# Altium PCB PCB1.PcbDoc
Units mil, origin at the board's own origin, x right, y up, seen from the top; angles counter-clockwise.
Board outline 4900.65 x 3145 mil, 2 copper layers (Top Layer, Bottom Layer); 48 components, 47 nets, 257 pads, 103 vias.
Unrouted connection lines stored in the file: 67.
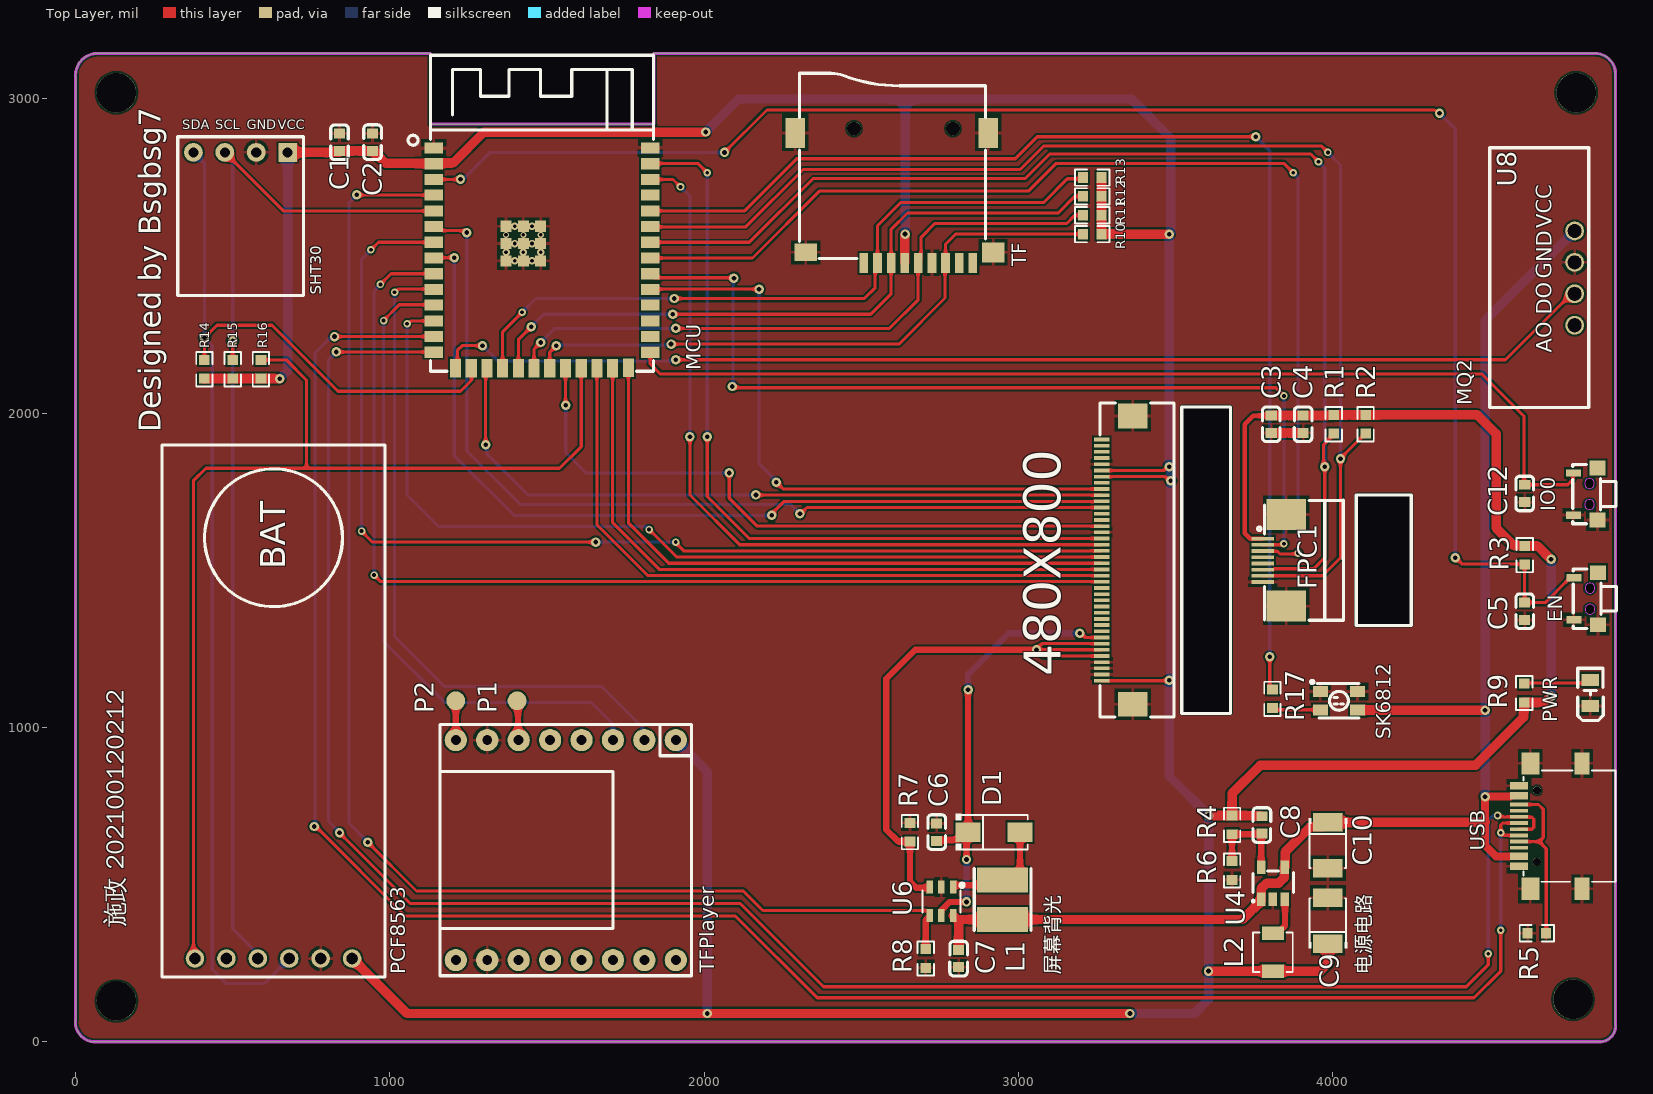
[diagram p0: Top Layer view]
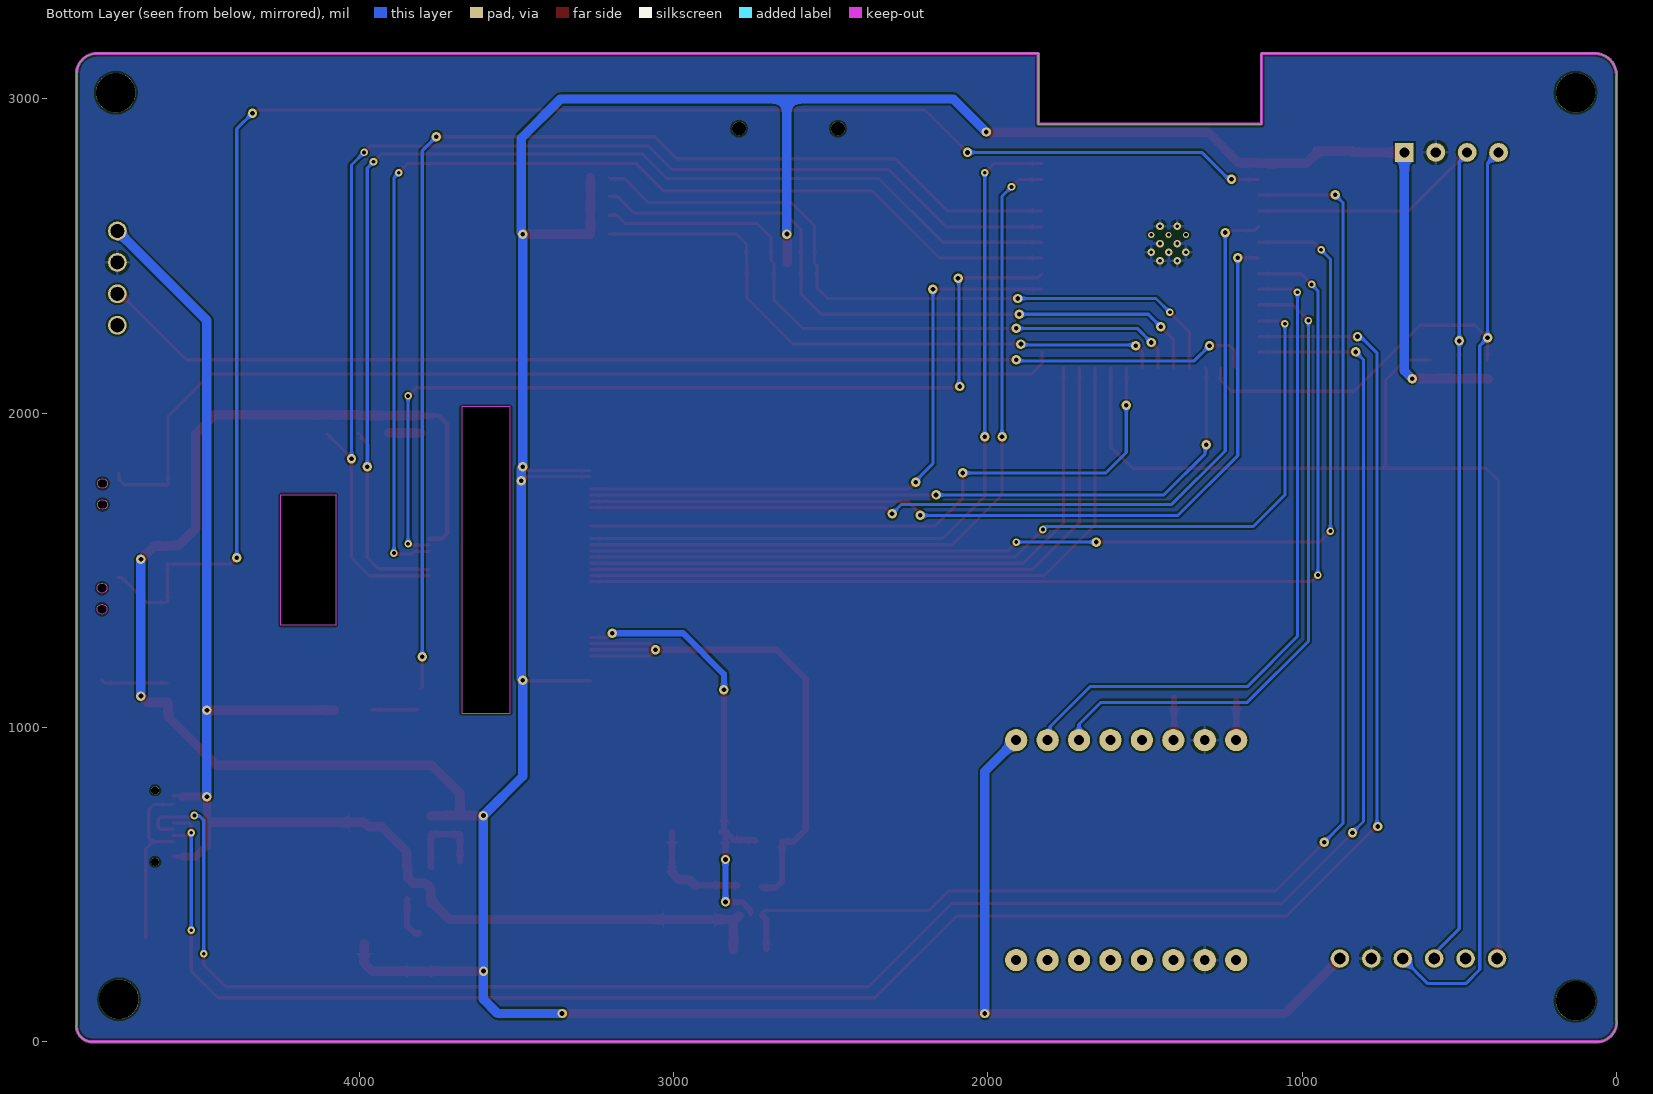
[diagram p1: Bottom Layer view, seen from below]
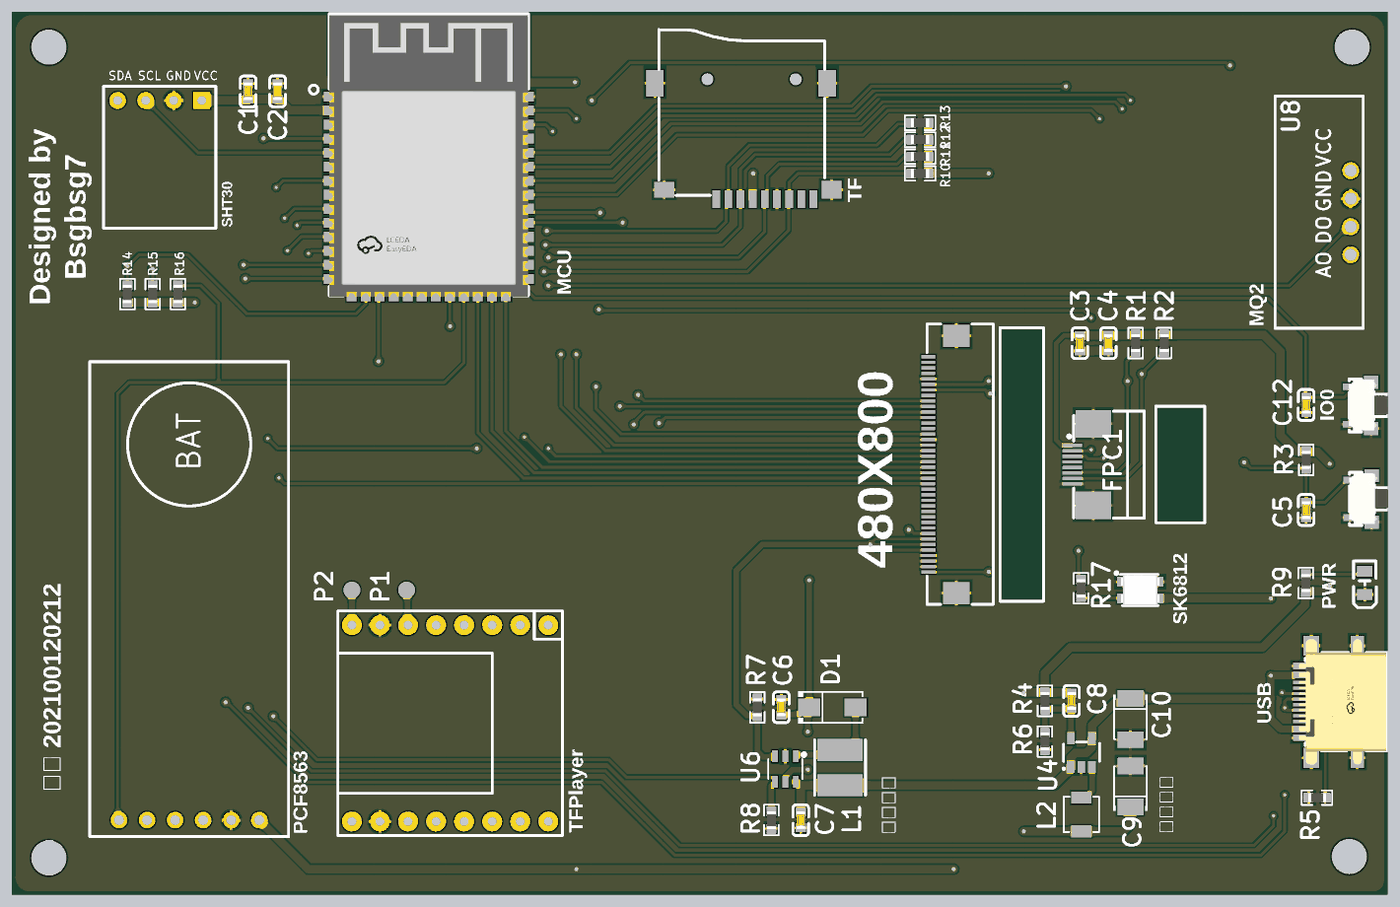
[diagram p2: 3D render of the assembled board from above, using the file's embedded part models]

## Layer stack, top to bottom
Top Solder: solder mask 0.4, Solder Resist, Dk 3.5
Top Layer: signal copper 1.4
Dielectric 1: dielectric 12.6, FR-4, Dk 4.8
Bottom Layer: signal copper 1.4
Bottom Solder: solder mask 0.4, Solder Resist, Dk 3.5

## Board outline
0,70 0,3070 cw(c70,3075) 65,3145 1130,3145 1130,2920 1840,2920 1840,3145 4835,3145 cw(c4835,3080) 4900,3080 4900,55 cw(c4850,50) 4855,0 55,0 cw(c62.5,62.5)
cut-out: 3520,1045 3520,2020 3675,2020 3675,1045
cut-out: 4075,1325 4250,1325 4250,1740 4075,1740

## Design rules (kind name [scope] priority, off if disabled: settings)
Clearance Clearance_1 [All] p1: gap=10 ignorepadtopadclearanceinfootprint=FALSE except(0: Arc-Hole Track-Hole SMDPad-Hole THPad-Hole Via-Hole Fill-Hole Poly-Hole Region-Hole Text-Hole)
Clearance [All] p2: gap=6 ignorepadtopadclearanceinfootprint=TRUE except(0: Arc-Hole Track-Hole SMDPad-Hole THPad-Hole Via-Hole Fill-Hole Poly-Hole Region-Hole Text-Hole)
PolygonConnect [All] p1: connectstyle=Relief reliefconductorwidth=10 reliefentries=4 polygonreliefangle="90 Angle" airgapwidth=10
RoutingVias [All] p1: holewidth=12 width=24 viastyle="Through Hole" minholewidth=10 minwidth=20 maxholewidth=28 maxwidth=50
SolderMaskExpansion [All] p1: expansion=4 istentingtop=FALSE
Width Width_4 [InNet('VBUS')] p1: maxlimit=30 minlimit=10 preferedwidth=30 minimp=50.000000 maximp=50.000000 favimp=50.000000
Width Width_3 [InNet('3V3')] p2: maxlimit=30 minlimit=10 preferedwidth=30 minimp=50.000000 maximp=50.000000 favimp=50.000000
Width Width_2 [InNet('GND')] p3: maxlimit=30 minlimit=10 preferedwidth=30 minimp=50.000000 maximp=50.000000 favimp=50.000000
Width Width_1 [All] p4: maxlimit=30 minlimit=10 preferedwidth=10 minimp=50.000000 maximp=50.000000 favimp=50.000000
Width [InNet('VBUS')] p5: maxlimit=30 minlimit=10 preferedwidth=30 minimp=50.000000 maximp=50.000000 favimp=50.000000
30 further rules are at their usual default settings.

## Classes and differential pairs
component class Sheet1: LED1 LED2 SW1 SW2 U1 U3 U7

## Components (designator, comment, footprint, x,y, rotation, side; value= is the part's Value field where it differs from the comment)
480X800 "FPC0.5-40P" FPC-SMD_P0.50-40P_XJ-FGS 3314.68,1532.67 r270 top locked
C1 "22u" C0603 840,2862.44 r90 top
C2 "0.1u" C0603 945,2862.44 r270 top
C3 "4.7u" C0603 3804.51,1964.7 r270 top
C4 "0.1u" C0603 3906.2,1965.3 r90 top
C5 "1u" C0603 4611.02,1369.89 r270 top
C6 "1uF" C0603 2740,667.01 r270 top
C7 "1uF" C0603 2810,265 r90 top
C8 "22pF" C0603 3775,690 r90 top
C9 "22uF" CASE-B_3528 3985,385 r90 top
C10 "22uF" CASE-B_3528 3985,625 r270 top
C12 "0.1u" C0603 4611.23,1744.89 r90 top
D1 "SS34_C2900685" SMA_L4.3-W2.5-LS5.0-RD 2922.68,667.01 r0 top
EN "TS-1010-B-A" KEY-SMD_TX-1010-X-X 4806.13,1409.89 r270 top (schematic designator SW1)
FPC1 "KH-FG0.5-H2.0-8PIN" FPC-SMD_KH-FG0.5-H2.0-8PIN 3815,1531.99 r270 top
IO0 "TS-1010-B-A" KEY-SMD_TX-1010-X-X 4804.51,1742.96 r270 top (schematic designator SW2)
L1 "22uH" IND-SMD_L4.5-W4.0_SM4532 2950,452.01 r90 top
L2 "1uH" IND-SMD_L3.2-W3.2-1 3810,285 r90 top
MCU "ESP32-S3-WROOM-1(N16R8)" WIRELM-SMD_ESP32-S3-WROOM-1 1483.95,2493.75 r0 top locked (schematic designator U1)
P1 "SPK1" pad 1405,1085 r0 top
P2 "SPK1" pad 1210,1085 r0 top
PCF8563 "RTC-PCF8563模块" PCF8563模块 275.67,1898.86 r270 top (schematic designator U7)
PWR "SML-H12P8TT86" LED0805-R-RD_GREEN 4820,1110 r90 top (schematic designator LED1)
R1 "4.7K" R0603 4003.52,1965 r270 top
R2 "4.7K" R0603 4105,1965 r270 top
R3 "10k" R0603 4611.13,1548.67 r270 top
R4 "100kΩ" R0603 3680,690 r90 top
R5 "5.1K" R0603 4650,345 r180 top
R6 "22kΩ" R0603 3680,545 r90 top
R7 "6.8" R0603 2655,667.01 r270 top
R8 "10k" R0603 2705,265 r90 top
R9 "10K" R0603 4610,1110 r270 top
R10 "10k" R0603 3235,2570 r0 top
R11 "10k" R0603 3235,2630 r0 top
R12 "10k" R0603 3235,2690 r0 top
R13 "10k" R0603 3235,2750 r0 top
R14 "4.7K" R0603 410,2140 r90 top
R15 "4.7K" R0603 500,2140 r90 top
R16 "4.7K" R0603 590,2140 r90 top
R17 "500" R0603 3808.41,1091.02 r270 top
SHT30 "SHT30" SHT30 725,2780 r270 top
SK6812 "SK6812SMINI-ER" SK6812 4020,1085 r180 top (schematic designator LED2)
TF "TF-15×15" TF-SMD_TF-15-15 2605,2685 r90 top locked
TFPlayer "DFPLAYER" DFPLAYER 2010,1060 r270 top
U4 "SY8089A1AAC" TSOT-23-5_L2.9-W1.6-P0.95-LS2.8-BR 3810,505 r270 top
U6 "RY3730" SOT-23-6_L2.9-W1.6-P0.95-LS2.8-BL 2755,447.01 r180 top
U8 "MQ2" MQ2 4770,2430 r270 top
USB "YTC-TC16-273A1" TYPE-C-SMD_YIYUAN_YTC-TC16-273A1 4693.4,686.22 r90 top locked (schematic designator U3)

## Footprints (in the part's own frame and the unit in brackets; to place one, negate y for a bottom-side part, rotate by r counter-clockwise, add the part's x,y. Pads: shape width x height; smd on the part's side, far side on the other; paste and mask are expansions set on the pad)
C0603 [mm]
  rect 0.8x0.9 smd: 1(-0.7,0) 2(0.7,0)
  silkscreen extent -1.41,-0.71 1.39,0.72, body extent -0.8,-0.4 0.8,0.4, height 0.8
CASE-B_3528 [mil]
  rect 59.3x93.54 smd mask+2: 1(-73.25,0) 2(73.25,0)
  silkscreen extent -87,-61 72,61
DFPLAYER [mm]
  round 1.8 hole 0.8: 1(2.54,-2.54) 2(2.54,-5.08) 3(2.54,-7.62) 4(2.54,-10.16) 5(2.54,-12.7) 6(2.54,-15.24) 7(2.54,-17.78) 8(2.54,-20.32) 9(20.32,-20.32) 10(20.32,-17.78) 11(20.32,-15.24) 12(20.32,-12.7) 13(20.32,-10.16) 14(20.32,-7.62) 15(20.32,-5.08) 16(20.32,-2.54)
  silkscreen extent 1.27,-21.59 21.59,-1.27
FPC-SMD_KH-FG0.5-H2.0-8PIN [mm]
  rect 0.3x1.8 smd mask+0.051: 1(-1.75,-0.95) 2(-1.25,-0.95) 3(-0.75,-0.95) 4(-0.25,-0.95) 5(0.25,-0.95) 6(0.75,-0.95) 7(1.25,-0.95) 8(1.75,-0.95)
  rect 2.5x3.2 smd mask+0.051: 9(3.7,0.95) 10(-3.7,0.95)
  silkscreen extent -4.85,-1.37 4.84,5.57
FPC-SMD_P0.50-40P_XJ-FGS [mm]
  rect 0.3x1.25 smd: 1(-9.749,-1.263) 2(-9.247,-1.263) 3(-8.747,-1.263) 4(-8.247,-1.263) 5(-7.747,-1.263) 6(-7.247,-1.263) 7(-6.747,-1.263) 8(-6.247,-1.263) 9(-5.747,-1.263) 10(-5.247,-1.263) 11(-4.747,-1.263) 12(-4.247,-1.263) 13(-3.747,-1.263) 14(-3.247,-1.263) 15(-2.747,-1.263) 16(-2.247,-1.263) 17(-1.747,-1.263) 18(-1.247,-1.263) 19(-0.747,-1.263) 20(-0.247,-1.263) 21(0.253,-1.263) 22(0.753,-1.263) 23(1.253,-1.263) 24(1.753,-1.263) 25(2.253,-1.263) 26(2.753,-1.263) 27(3.251,-1.262) 28(3.751,-1.262) 29(4.251,-1.262) 30(4.751,-1.262) 31(5.251,-1.262) 32(5.751,-1.262) 33(6.251,-1.262) 34(6.749,-1.26) 35(7.249,-1.26) 36(7.749,-1.26) 37(8.249,-1.26) 38(8.749,-1.26) 39(9.249,-1.26) 40(9.749,-1.26)
  rect 2x2.4 smd: 41(-11.649,1.263) 42(11.649,1.263)
  silkscreen extent -12.7,-1.4 12.67,4.6
IND-SMD_L3.2-W3.2-1 [mm]
  rect 1.1x1.8 smd mask+0.051: 1(-1.524,0) 2(1.524,0)
  silkscreen extent -1.6,-1.6 1.6,1.6
IND-SMD_L4.5-W4.0_SM4532 [mm]
  rect 2x4.12 smd mask+0.051: 1(1.6,0) 2(-1.6,0)
  silkscreen extent -2.5,-2.3 2.5,2.3
KEY-SMD_TX-1010-X-X [mm]
  rect 0.6x1.2 smd mask+0.051: 1(-1.7,-0.975) 2(1.7,-0.975)
  rect 1.2x1.3 smd mask+0.051: 3(-2.1,0.975) 4(2.1,0.975)
  Keep-Out Layer board cut-out: -0.45,0.325 -0.45,0.405 -0.511,0.552 -0.623,0.664 -0.77,0.725 -0.929,0.725 -1.076,0.664 -1.189,0.552 -1.25,0.405 -1.25,0.325 -1.25,0.245 -1.189,0.098 -1.076,-0.014 -0.929,-0.075 -0.77,-0.075 -0.623,-0.014 -0.511,0.098 -0.45,0.245 -0.45,0.325 -0.45,0.325
  Keep-Out Layer board cut-out: 1.25,0.325 1.25,0.405 1.189,0.552 1.077,0.664 0.93,0.725 0.771,0.725 0.624,0.664 0.511,0.552 0.45,0.405 0.45,0.325 0.45,0.245 0.511,0.098 0.624,-0.014 0.771,-0.075 0.93,-0.075 1.077,-0.014 1.189,0.098 1.25,0.245 1.25,0.325 1.25,0.325
  silkscreen extent -2.4,-1.03 2.4,2.47, body extent -2.33,-1.07 2.27,2.48, height 1.8
LED0805-R-RD_GREEN [mm]
  rect 1x1.4 smd: 1(1.05,0) 2(-1.05,0)
  silkscreen extent -2.22,-1.04 1.99,1.01
MQ2 [mil]
  round 60 hole 43.31 slot 43.51 at 0 deg: 1(-150,0) 2(-50,0) 3(50,0) 4(150,0)
  silkscreen extent -415,-270 412,45
pad [mil]
  round 60 smd: 2(0,0)
PCF8563模块 [mm]
  round 1.5 hole 0.9 slot 0.9 at 90 deg: 1(41.5,2.65) 2(41.5,5.19) 3(41.5,7.73) 4(41.5,10.27) 5(41.5,12.81) 6(41.5,15.35)
  silkscreen extent 0,0 43,18
R0603 [mil]
  rect 31.75x34.02 smd: 1(-29.66,0) 2(29.66,0)
  silkscreen extent -55,-26 55,26, body extent -32,-16 32,16, height 18
SHT30 [mm]
  rect 1.52x1.52 hole 0.81: 1(-1.27,-1.27)
  round 1.52 hole 0.81: 2(-1.27,-3.81) 3(-1.27,-6.35) 4(-1.27,-8.89)
  silkscreen extent -2.54,-10.16 10.29,0
SK6812 [mm]
  rect 1.2x0.9 smd mask+0.051: 1(1.5,-0.75) 2(1.5,0.75) 3(-1.5,0.75) 4(-1.5,-0.75)
  silkscreen extent -1.6,-1.65 2.29,1.4, body extent -1.75,-1.4 1.75,1.4, height 1.88
SMA_L4.3-W2.5-LS5.0-RD [mm]
  rect 2x1.593 smd: 1(-2.1,0) 2(2.1,0)
  silkscreen extent -3.11,-1.48 2.73,1.48
SOT-23-6_L2.9-W1.6-P0.95-LS2.8-BL [mm]
  rect 0.532x1.072 smd: 1(-0.95,-1.149) 2(0,-1.149) 3(0.95,-1.149) 4(0.95,1.149) 5(0,1.149) 6(-0.95,1.149)
  silkscreen extent -1.82,-1.45 1.54,0.89
TF-SMD_TF-15-15 [mil]
  rect 63x27.6 smd: 1(-206.75,96.45) 2(-206.75,53.15) 3(-206.75,9.84) 4(-206.75,-33.47) 5(-206.75,-76.77) 6(-206.75,-120.08) 7(-206.75,-163.39) 8(-206.75,-206.7) 9(-206.75,-250)
  rect 63x70.87 smd: 10(-173.17,-314.97)
  rect 94.49x62.99 smd: 11(206.75,-299.22) 12(206.75,314.96)
  rect 55.1x70.9 smd: 13(-173.15,281.51)
  round 43.31 hole 43.31 unplated: ""(220.53,-187.01) ""(220.53,127.95)
  silkscreen extent -193,-290 398,301
TSOT-23-5_L2.9-W1.6-P0.95-LS2.8-BR [mm]
  rect 1.1x0.7 smd mask+0.051: 1(1.294,-0.951) 2(1.294,-0.001) 3(1.294,0.951) 4(-1.294,0.951) 5(-1.294,-0.949)
  silkscreen extent -0.97,-1.65 1.52,1.65
TYPE-C-SMD_YIYUAN_YTC-TC16-273A1 [mm]
  rect 1.8x1.45 smd: 12(-5.07,1.632) 13(5.07,1.632)
  rect 1.8x1.2 smd: 14(-5.07,-2.548) 15(5.07,-2.548)
  rect 0.6x1.45 smd: A1B12(-3.25,2.548) A4B9(-2.45,2.548) A9B4(2.45,2.548) A12B1(3.25,2.548)
  rect 0.3x1.45 smd: A5(-1.25,2.548) A6(-0.25,2.548) A7(0.25,2.548) A8(1.25,2.548) B5(1.75,2.548) B6(0.75,2.548) B7(-0.75,2.548) B8(-1.75,2.548)
  round 0.65 hole 0.65 unplated: ""(-2.89,1.102) ""(2.89,1.102)
  silkscreen extent -4.5,-5.25 4.5,2.2, body extent -5.67,-5.16 5.68,2.74, height 3.19
WIRELM-SMD_ESP32-S3-WROOM-1 [mm]
  rect 1.5x0.9 smd: 1(-8.75,8.895) 2(-8.75,7.625) 3(-8.75,6.355) 4(-8.75,5.085) 5(-8.75,3.815) 6(-8.75,2.545) 7(-8.75,1.275) 8(-8.75,0.005) 9(-8.75,-1.265) 10(-8.75,-2.535) 11(-8.75,-3.805) 12(-8.75,-5.075) 13(-8.75,-6.345) 14(-8.75,-7.615) 27(8.75,-7.615) 28(8.75,-6.345) 29(8.75,-5.075) 30(8.75,-3.805) 31(8.75,-2.535) 32(8.75,-1.265) 33(8.75,0.005) 34(8.75,1.275) 35(8.75,2.545) 36(8.75,3.815) 37(8.75,5.085) 38(8.75,6.355) 39(8.75,7.625) 40(8.75,8.895)
  rect 0.9x1.5 smd: 15(-6.985,-8.895) 16(-5.715,-8.895) 17(-4.445,-8.895) 18(-3.175,-8.895) 19(-1.905,-8.895) 20(-0.635,-8.895) 21(0.635,-8.895) 22(1.905,-8.895) 23(3.175,-8.895) 24(4.445,-8.895) 25(5.715,-8.895) 26(6.985,-8.865)
  rect 0.9x0.9 smd: 41(-2.9,-0.225) 41(-2.9,1.175) 41(-2.9,2.575) 41(-1.501,-0.225) 41(-1.501,1.175) 41(-1.501,2.575) 41(-0.1,-0.225) 41(-0.1,1.175) 41(-0.1,2.575)
  silkscreen extent -10.81,-9.14 9.02,16.39, body extent -9,-9.23 9,16.27, height 3.11

## Part data
480X800: BOM_JLCPCB Part Class="Extended Part", BOM_Manufacturer=Ckmtw(灿科盟), BOM_Manufacturer Part=F-FPC0M40P-C310, Package Display=No, BOM_Supplier=LCSC, BOM_Supplier Part=C132511, Contributor=LCSC, spicePre=F, spiceSymbolName=FPC0.5-40P
C3: library part 22u, Contributor=LCEDA_Lib, nameAlias=Value(F), spicePre=C, spiceSymbolName=C_0603_US
C6 C7: BOM_JLCPCB Part Class="Extended Part", BOM_Manufacturer=YAGEO(国巨), BOM_Manufacturer Part=CC0603KRX5R8BB105, BOM_Supplier=LCSC, BOM_Supplier Part=C14664, nameAlias=Capacitance, spicePre=C, spiceSymbolName=CC0603KRX5R8BB105
C8: BOM_JLCPCB Part Class="Basic Part", BOM_Manufacturer=SAMSUNG(三星), BOM_Manufacturer Part=CL10C220JB8NNNC, BOM_Supplier=LCSC, BOM_Supplier Part=C1653, nameAlias=Capacitance, spicePre=C, spiceSymbolName=CL10C220JB8NNNC
C9 C10: library part TAJB226K016RNJ, "容值:22uF;精度:±10%;额定电压:16V;等效串联电阻:2.3Ω@100kHz;工作温度:-55℃~+125℃;", Equivalent Series Resistance(ESR)=2.3Ω@100kHz, JLCPCB Part Class="Extended Part", LCSC Part Name="22uF ±10% 16V", Manufacturer="Kyocera AVX", Operating Temperature=-55℃~+125℃, Rated Voltage=16V, Tolerance=±10%, Add into BOM=yes, Convert to PCB=yes, Datasheet=https://atta.szlcsc.com/upload/public/pdf/source/20160107/1457707749964.pdf, Device=TAJB226K016RNJ, Manufacturer Part=TAJB226K016RNJ, Name=22uF, Supplier=LCSC, Supplier Footprint=CASE-B_3528, Supplier Part=C8020, Symbol=TAJB226K016RNJ
D1: BOM_JLCPCB Part Class="Extended Part", BOM_Manufacturer="BLUE ROCKET(蓝箭)", BOM_Manufacturer Part=SS34, BOM_Supplier=LCSC, BOM_Supplier Part=C2900685, Contributor=LCSC, spicePre=D, spiceSymbolName=SS34_C2900685
EN IO0: "触点电流:50mA;额定电压(DC):12V;绝缘电阻:-;电路结构:单刀单掷;安装方式:卧贴;按钮形状:矩形按钮;按钮/盖帽颜色:黑色;带灯:无;作用力:160gf;机械寿命:100000;工作温度:-30℃~+85℃;开关长度:4.7mm;开关宽度:1.9mm;开关高度:3.5mm;带支架:否;", Actuator/Cap Color=黑色, Contact Current=50mA, Insulation Resistance=-, JLCPCB Part Class="Extended Part", LCSC Part Name=1.9*4.7*3.5小侧按160gf带固定柱, Manufacturer="XKB Connectivity(中国星坤)", Operating Force=160gf, Operating Temperature=-30℃~+85℃, Voltage Rating (DC)=12V, Actuator Style=矩形按钮, Add into BOM=yes, Circuit=单刀单掷, Convert to PCB=yes, Datasheet=https://atta.szlcsc.com/upload/public/pdf/source/20200227/C318941_A5A5DBAB1B24E3EFC34CEC5510EE9B45.pdf, Device=TS-1010-B-A, Manufacturer Part=TS-1010-B-A, Mechanical Life=100000, Mounting Style=卧贴, Strike Gundam=否, Supplier=LCSC, Supplier Footprint=SMD, Supplier Part=C318941, Switch Height=3.5mm, Switch Length=4.7mm, Switch Width=1.9mm, Symbol=TS-1010-B-A, With Lamp=无
FPC1: "FPC/FFC排线插座 间距0.5mm,H2.0, 8PIN贴片翻盖式排线座子", JLCPCB Part Class="Extended Part", Manufacturer=kinghelm(金航标), Add into BOM=yes, Convert to PCB=yes, Datasheet=https://atta.szlcsc.com/upload/public/pdf/source/20220215/CF3E4A0A95CCBF61B800FB3CC9EAF3AF.pdf, Device=KH-FG0.5-H2.0-8PIN, LCSC Part Name="FPC/FFC排线插座 间距0.5mm,H2.0, 8PIN贴片翻盖式排线座子", Manufacturer Part=KH-FG0.5-H2.0-8PIN, Name=KH-FG0.5-H2.0-8PIN, Supplier=LCSC, Supplier Footprint=SMD,P=0.5mm, Supplier Part=C709364, Symbol=KH-FG0.5-H2.0-8PIN
L1: library part GCD43-220MC, "直流电阻(DCR):375mΩ;精度:±20%;额定电流:1A;电感值:22uH;", DC Resistance (DCR)=375mΩ, JLCPCB Part Class="Extended Part", LCSC Part Name="22uH ±20%", Manufacturer=GLE(格莱尔), Rated Current=1A, Tolerance=±20%, Add into BOM=yes, Convert to PCB=yes, Datasheet=https://atta.szlcsc.com/upload/public/pdf/source/20191226/C439244_68427D11A7C3652EC048C5CEB2B3AA76.pdf, Device=GCD43-220MC, Height=3.2mm, Length=4.5mm, Manufacturer Part=GCD43-220MC, Name=22uH, Supplier=LCSC, Supplier Footprint=SMD, Supplier Part=C439244, Symbol=GCD43-220MC, Width=4mm
L2: library part TMPC0302H-1R0MG, "电感值:1uH;精度:±20%;额定电流:4A;直流电阻(DCR):32mΩ;", DC Resistance (DCR)=32mΩ, JLCPCB Part Class="Extended Part", LCSC Part Name="1uH ±20%", Manufacturer=TAI-TECH(台庆), Rated Current=4A, Tolerance=±20%, Add into BOM=yes, Convert to PCB=yes, Datasheet=https://atta.szlcsc.com/upload/public/pdf/source/20200917/C357122_6F527967014A5480A7BF1930E1412AC6.pdf, Device=TMPC0302H-1R0MG, Height=1.8mm, Length=3.5mm, Manufacturer Part=TMPC0302H-1R0MG, Name=1uH, Supplier=LCSC, Supplier Footprint=SMD, Supplier Part=C357122, Symbol=TMPC0302H-1R0MG, Width=3.2mm
MCU: BOM_JLCPCB Part Class="Extended Part", BOM_Manufacturer=ESPRESSIF(乐鑫), BOM_Manufacturer Part=ESP32-S3-WROOM-1-N16R8, BOM_Supplier=LCSC, BOM_Supplier Part=C2913202, Contributor=lcsc, link=https://atta.szlcsc.com/upload/public/pdf/source/20220705/4E799F39581577F766659887F738A439.pdf, spicePre=U, spiceSymbolName=ESP32-S3-WROOM-1(N16R8)
PCF8563: BOM_Manufacturer=Xu, BOM_Manufacturer Part=Xu4388, BOM_Supplier=Xu, BOM_Supplier Part=Xu4388, Contributor=XDesign, spicePre=U, spiceSymbolName=RTC-PCF8563模块
PWR: BOM_JLCPCB Part Class="Extended Part", BOM_Manufacturer=ROHM(罗姆), BOM_Manufacturer Part=SML-H12P8TT86, BOM_Supplier=LCSC, BOM_Supplier Part=C510035, Contributor=lcsc, spicePre=L, spiceSymbolName=SML-H12P8TT86
R1 R2 R14 R15 R16: Manufacturer=YAGEO, Manufacturer Part=AF0603FR-0710KL, Add into BOM=yes, Convert to PCB=yes, Device=AF0603FR-0710KL, Name=4.7K, Origin Footprint=0603, Supplier=LCSC, Supplier Part=C144081, Symbol=10K
R3 R10 R11 R12 R13: library part 5.1K, Contributor=LCEDA_Lib, nameAlias=Value(Ω), spicePre=R, spiceSymbolName=R_0603_EU
R4: BOM_JLCPCB Part Class="Basic Part", BOM_Manufacturer=UNI-ROYAL(厚声), BOM_Manufacturer Part=0603WAF1003T5E, Resistance (Ohms)=100K, BOM_Supplier=LCSC, BOM_Supplier Part=C25803, nameAlias=Resistance, spicePre=R, spiceSymbolName=0603WAF1003T5E
R6: BOM_JLCPCB Part Class="Basic Part", BOM_Manufacturer=UNI-ROYAL(厚声), BOM_Manufacturer Part=0603WAF2202T5E, Resistance (Ohms)=22K, BOM_Supplier=LCSC, BOM_Supplier Part=C31850, nameAlias=Resistance, spicePre=R, spiceSymbolName=0603WAF2202T5E
R7 R17: library part 1.2K, Contributor=LCEDA_Lib, nameAlias=Value(Ω), spicePre=R, spiceSymbolName=R_0603_EU
SK6812: JLCPCB Part Class="Extended Part", Manufacturer=欧思科光电, Add into BOM=yes, Convert to PCB=yes, Datasheet=https://atta.szlcsc.com/upload/public/pdf/source/20220812/283F2CDBF03DB3CA48F090CE4F009622.pdf, Device=SK6812SMINI-ER, LCSC Part Name=SK6812SMINI-ER, Manufacturer Part=SK6812SMINI-ER, Name=SK6812SMINI-ER, Supplier=LCSC, Supplier Footprint=SMD2835, Supplier Part=C5142047, Symbol=SK6812SMINI-ER
TF: BOM_JLCPCB Part Class="Extended Part", BOM_Manufacturer=SOFNG(硕方), BOM_Manufacturer Part=TF-15x15, BOM_Supplier=LCSC, BOM_Supplier Part=C111196, spicePre=C, spiceSymbolName=TF-15×15
TFPlayer: BOM_Manufacturer=播放模块, Contributor=zengdc, spicePre=U, spiceSymbolName=DFPLAYER
U4: JLCPCB Part Class="Extended Part", Manufacturer=silergy(矽力杰), Add into BOM=yes, Convert to PCB=yes, Datasheet=https://atta.szlcsc.com/upload/public/pdf/source/20200117/C479074_09E605B8BDE11DB5A08573B7E6429A0D.pdf, Device=SY8089A1AAC, LCSC Part Name=SY8089A1AAC, Manufacturer Part=SY8089A1AAC, Name=SY8089A1AAC, Supplier=LCSC, Supplier Footprint=SOT-23-5, Supplier Part=C479074, Symbol=SY8089A1AAC
U6: BOM_JLCPCB Part Class="Extended Part", BOM_Manufacturer=RYCHiP(蕊源), Frequency=-, BOM_Manufacturer Part=RY3730, BOM_Supplier=LCSC, BOM_Supplier Part=C370887, Contributor=LCSC, spicePre=U, spiceSymbolName=RY3730
USB: BOM_JLCPCB Part Class="Extended Part", BOM_Manufacturer=YIYUAN(怡远), BOM_Manufacturer Part=YTC-TC16-273A1, BOM_Supplier=LCSC, BOM_Supplier Part=C5260486, Contributor=lcsc, link=https://atta.szlcsc.com/upload/public/pdf/source/20221115/1C643958E5C7CDCF6F0D7C93477BAFEB.pdf, spicePre=U, spiceSymbolName=YTC-TC16-273A1
C1 C2 C4 C5 C12: Contributor=LCEDA_Lib, nameAlias=Value(F), spicePre=C, spiceSymbolName=C_0603_US
P1 P2: Add into BOM=yes, Convert to PCB=yes, Device="测试点 2.5MM", Name="测试点 2.5MM", Origin Footprint="测试点 2.5MM", Symbol="测试点 2.5MM"
R5 R8: Contributor=LCEDA_Lib, nameAlias=Value(Ω), spicePre=R, spiceSymbolName=R_0603_EU
R9: Add into BOM=yes, Convert to PCB=yes, Device=Res_0603, Name=10K, Supplier Footprint=0603, Symbol=电阻
SHT30: Contributor=tcwj2008, spicePre=U, spiceSymbolName=SHT30
U8: Contributor=1898stark, spicePre=U, spiceSymbolName=MQ2

## Free pads (board coordinates)
  round 125.98 hole 125.98 unplated: 5(130,130) 5(130,3020) 5(4765,135) 5(4775,3020)

## Via types
v1: diameter 30, hole 15, Top Layer to Bottom Layer, tented both sides, 59 vias
v2: diameter 24, hole 12, Top Layer to Bottom Layer, tented both sides, 21 vias
v3: diameter 19.69, hole 11.81, Top Layer to Bottom Layer, 12 vias
v4: diameter 24, hole 12, Top Layer to Bottom Layer, 10 vias
v5: diameter 30, hole 16, Top Layer to Bottom Layer, tented both sides, 1 vias

## Nets (pads, with @x,y where several pads share a name; then routed paths per layer and width w, separated by ;. In a path a pad name is that pad's centre, name@x,y a point inside that pad or via, vN(x,y) a via of type N, cw(c..) or ccw(c..) an arc to the next point about the centre after c; other vN are vias at no path point)
3V3: 480X800.6 480X800.7 480X800.40 C1.1 C2.2 C3.1 C4.2 C8.2 C9.1 FPC1.1 L2.1 MCU.2 PCF8563.6 R1.1 R2.1 R3.1 R4.2 R9.2 R10.2 R11.2 R12.2 R13.2 R14.1 R15.1 R16.1 SHT30.1 TF.4 TFPlayer.1 | length 16476.9
  Top Layer w10: 480X800.7 3466.7,1798.3 3480,1785 v1(3485,1785) ; 480X800.6 3462.58,1817.99 3474.59,1830 v1(3480,1830) ; 480X800.40 3478.86,1148.86 v1(3480,1150)
  Top Layer w15: FPC1.1 3737.9,1600.89 3720,1618.79 3720,1965 3747.25,1992.25 C3.1
  Top Layer w30: R14.1@407.99,2108.34 407.99,2109.47 408.87,2110.34 R14.1 R15.1 R16.1 649.65,2110.35 v1(650,2110) ; SHT30.1@660.08,2844.92 SHT30.1 ; C1.1 C2.2 946.97,2834.89 986.86,2795 1138.41,2795 MCU.2 1142.18,2796.66 1201.66,2796.66 1299,2894 2004,2894 v1(2005,2895) ; PCF8563.6 1055,90 v1(2010,90) v1(3355,90) ; TF.4 2638.47,2568.47 v5(2640,2570) ; R11.2@3264.65,2644.45 R11.2 ; R13.2 R12.2 R11.2 ; v1(3480,2570) R10.2 R11.2 ; v1(3605,225) L2.1 3960,225 3985,250 C9.1 ; v1(3605.17,719.83) 3605.34,719.66 R4.2 ; C8.2@3772.9,718.3 3772.28,718.3 3770.93,719.66 R4.2 ; C3.1 C3.1@3804.51,1993 ; R9.2 4608.87,1080.35 4607.99,1079.47 4607.99,1032.99 4455,880 3770,880 3680,790 R4.2 ; R9.2@4610.17,1080.17 4675.17,1080.17 v1(4695,1100) ; v1(4695,1535) 4652.55,1577.45 4612,1577.45 R3.1 4610.25,1579.2 4575.8,1579.2 4520,1635 4520,1935 4460.34,1994.66 R2.1 R1.1 R1.1@4003.52,1992.86 ; SHT30.1 840,2830 SHT30.1 ; C3.1@3804.51,1993 3855,1993 ; C3.1@3804.51,1993 3855,1993 ; 3855,1993 3855.14,1992.86 C4.2 ; C4.2 R1.1@4003.52,1992.86 ; C4.2 R1.1@4003.52,1992.86
  Bottom Layer w30: v1(650,2110) 675,2135 SHT30.1 SHT30.1@685,2820 ; TFPlayer.1@1903.5,966.5 TFPlayer.1 2010,860 v1(2010,90) ; v1(2005,2895) 2110,3000 2640,3000 ; v5(2640,2570) 2640,3000 ; v1(3355,90) 3560,90 3605.17,135.17 3605.17,224.83 v1(3605,225) 3605.17,225.17 v1(3605.17,719.83) 3480,845 v1(3480,1150) 3485,1155 v1(3485,1785) 3485,1825 v1(3480,1830) v1(3480,2570) 3485,2575 3485,2875 3360,3000 2640,3000 ; v1(4695,1100) v1(4695,1535)
BL_CTR: MCU.4 R8.2 U6.4 | length 4342.9
  Top Layer w10: v1(895,2695) 896.06,2693.94 MCU.4 ; v1(930,635) 1085,480 2125,480 2187.12,417.88 2712.13,417.88 2717.6,412.4 U6.4
  Top Layer w20: R8.2 2705,387.6 2716.3,398.9 2716.3,400.48 U6.4
  Bottom Layer w10: v1(895,2695) 870,2670 870,695 v1(930,635)
CC1: R5.1 USB.A5 USB.B5 | length 571.9
  Top Layer w10: USB.A5 4657,637 ; USB.B5 4654.89,755.11 4670,740 4670,650 4657,637 ; R5.1@4679.66,330 R5.1 4679.66,614.35 4657,637
CS: 480X800.9 MCU.31 | length 2028.4
  Top Layer w10: MCU.31 1829.5,2395 v1(2175,2395) ; v1(2230,1780) 2230.29,1780 2251.36,1758.93 480X800.9
  Bottom Layer w10: v1(2175,2395) 2175,1839.67 2230,1784.67 v1(2230,1780)
CTP_INT: FPC1.3 MCU.33 | length 3517.2
  Top Layer w10: MCU.33 2153.94,2493.94 2366.91,2706.91 3031.91,2706.91 3120,2795 3845,2795 v2(3875,2765) ; FPC1.3 3778.51,1560.61 3824.39,1560.61 3832.68,1552.32 3887.32,1552.32 v2(3890,1555)
  Bottom Layer w10: v2(3875,2765) 3890,2750 v2(3890,1555)
CTP_RST: FPC1.2 MCU.32 | length 2925.8
  Top Layer w10: MCU.32 1841.16,2431.23 2093.77,2431.23 v1(2095,2430) ; v1(2090,2085) 2093.83,2081.17 3818.83,2081.17 v2(3845,2055) ; FPC1.2 3837.41,1581.2 3841.21,1585 v2(3845,1585)
  Bottom Layer w10: v1(2090,2085) 2092.5,2087.5 2092.5,2427.5 v1(2095,2430) ; v2(3845,1585) v2(3845,2055)
CTP_SCL: FPC1.6 MCU.34 R1.2 | length 3855.1
  Top Layer w10: MCU.34 2143.94,2543.94 2346.88,2746.88 3021.88,2746.88 3100,2825 3930,2825 v2(3955,2800) ; FPC1.6 3778.51,1503.37 3812.01,1503.37 3813.89,1505.24 3939.39,1505.24 3975,1540.86 v1(3975,1830) 3971.17,1833.83 3971.17,1899.78 3991.51,1920.12 3991.51,1924.47 4002.39,1935.34 R1.2
  Bottom Layer w10: v2(3955,2800) 3975,2780 v1(3975,1830)
CTP_SDA: FPC1.7 MCU.35 R2.2 | length 3963.6
  Top Layer w10: MCU.35 1829.5,2592.89 2132.89,2592.89 2315.71,2775.71 3005.71,2775.71 3080,2850 3965,2850 v2(3985,2830) ; FPC1.7 3967.78,1482.78 4025,1540 v1(4025,1855) 4025,1856.48 4103.87,1935.34 R2.2
  Bottom Layer w10: v2(3985,2830) 4025,2790 v1(4025,1855)
D+: MCU.14 USB.A6 USB.B6 | length 6443.6
  Top Layer w10: v1(830,2195) 1138.41,2195 MCU.14 ; v1(840,665) 1065,440 2115,440 2380,175 4425,175 4495,245 v2(4495,280) ; v2(4525,720) 4528.79,720 4533.04,715.74 USB.B6 4593.99,714.84 4634.14,714.84 4640,708.98 4640,682.23 4634.14,676.37 USB.A6
  Bottom Layer w10: v1(830,2195) 805,2170 805,700.86 840,665.86 v1(840,665) ; v2(4495,280) 4495,705 4508.41,718.41 4523.41,718.41 v2(4525,720)
D-: MCU.13 USB.A7 USB.B7 | length 7338.1
  Top Layer w10: v1(823.94,2243.94) MCU.13 ; v2(4535,355) 4535,225 4450,140 2360,140 2100,400 1050,400 ; USB.B7 4543.31,656.69 v2(4535,665) 4535,690 4541.06,696.06 USB.A7 ; v1@762.5,687.5 1050,400 ; v1@762.5,687.5 1050,400 ; v1@762.5,687.5 1050,400
  Bottom Layer w10: v1@762.5,687.5 762.5,2192.5 810.12,2240.12 820.12,2240.12 v1(823.94,2243.94) ; v2(4535,355) v2(4535,665)
  other v1: 760,685
DB0: 480X800.17 MCU.39 | length 2534.7
  Top Layer w10: MCU.39 1829.5,2795 1980,2795 v2(2010,2765) ; v1(2010,1925) 2010,1735 2143.55,1601.45 480X800.17
  Bottom Layer w10: v1(2010,1925) v2(2010,2765)
DB1: 480X800.18 MCU.38 | length 2474.4
  Top Layer w10: MCU.38 1901.06,2743.94 v2(1925,2720) ; v1(1955,1925) 1955,1740 2113.23,1581.77 480X800.18
  Bottom Layer w10: v2(1925,2720) 1955,2690 v1(1955,1925)
DB2: 480X800.19 MCU.7 | length 3499.4
  Top Layer w10: v2(910,1625) 945,1590 v1(1655,1590) ; v2(940,2520) 963.94,2543.94 MCU.7 ; v2(1910,1590) 1910,1587.34 1935.26,1562.08 480X800.19
  Bottom Layer w10: v2(910,1625) 910,2490 v2(940,2520) ; v1(1655,1590) v2(1910,1590)
DB3: 480X800.20 MCU.12 | length 3590.8
  Top Layer w10: v2(1055,2285) 1058.79,2285 1067.73,2293.94 MCU.12 ; v2(1825,1630) 1912.6,1542.4 480X800.20
  Bottom Layer w10: v2(1055,2285) 1055,1740 1155,1640 ; 1155,1640 1825,1640 1155,1640
DB4: 480X800.21 MCU.26 | length 2052.8
  Top Layer w10: MCU.26 1758.95,1651.05 1887.29,1522.71 480X800.21
DB5: 480X800.22 MCU.25 | length 2109.8
  Top Layer w10: MCU.25 1708.95,1651.05 1856.97,1503.03 480X800.22
DB6: 480X800.23 MCU.24 | length 2170.9
  Top Layer w10: MCU.24 1658.95,1646.05 1821.66,1483.34 480X800.23
DB7: 480X800.24 MCU.9 | length 3440.6
  Top Layer w10: v2(950,1485) 970.67,1464.33 3264.27,1464.33 480X800.24 ; v2(970,2410) 1003.94,2443.94 MCU.9
  Bottom Layer w10: v2(950,1485) 950,2390 v2(970,2410)
DC: 480X800.10 MCU.17 | length 2286.4
  Top Layer w10: v1(1305,1900) 1305,2139.59 MCU.17 ; v1(2165,1740) 2165.38,1739.63 3264.57,1739.63 480X800.10
  Bottom Layer w10: v1(1305,1900) 1308.83,1896.17 1308.83,1871.17 1440,1740 v1(2165,1740)
GND: 480X800.5 480X800.16 480X800.37 480X800.38 480X800.39 480X800.41 480X800.42 C1.2 C2.1 C3.2 C4.1 C5.2 C6.1 C7.1 C9.2 C10.2 C12.1 EN.2 EN.4 FPC1.8 FPC1.9 FPC1.10 IO0.2 IO0.4 MCU.1 MCU.40 MCU.41 PCF8563.5 PWR.2 R5.2 R6.1 R7.1 R8.1 SHT30.2 SK6812.1 SK6812.4 TF.6 TF.10 TF.11 TF.12 TF.13 TFPlayer.7 TFPlayer.10 U4.2 U6.2 U8.2 USB.12 USB.13 USB.14 USB.15 USB.A1B12 USB.A12B1 | length 101.9
  Top Layer w30: C3.2 3855,1937.14 3855.61,1937.75 C4.1
  other v3: 1397.33,2484.88 1452.45,2484.88 1369.77,2512.44 1424.89,2512.44 1480.01,2512.44 1397.33,2540 1452.45,2540 1397.33,2595.12 1452.45,2595.12
  other v4: 1397.33,2484.88 1452.45,2484.88 1369.77,2512.44 1424.89,2512.44 1480.01,2512.44 1397.33,2540 1452.45,2540 1397.33,2595.12 1452.45,2595.12
IIC_INT: MCU.23 PCF8563.1 R16.2 | length 5031.8
  Top Layer w10: R16.2 670.34,2169.66 735,2105 735,1825 ; MCU.23 1608.95,1893.95 1540,1825 735,1825 ; 375,1785 375,259.32 375,1785 ; 375,1785 415,1825 735,1825
IIC_SCL: MCU.5 PCF8563.3 R15.2 SHT30.3 | length 3410.4
  Top Layer w10: SHT30.3 661.06,2643.94 MCU.5 ; R15.2 v1(500,2230)
  Bottom Layer w10: SHT30.3 475,2824.76 500,2799.76 v1(500,2230) 500,360 566.01,293.99 566.01,292.26 580,278.28 PCF8563.3
IIC_SDA: MCU.16 PCF8563.4 R14.2 SHT30.4 | length 3998.9
  Top Layer w10: R14.2 v1(410,2240) 450,2280 625,2280 835,2070 1225,2070 1259.88,2104.88 1259.88,2142.62 MCU.16
  Bottom Layer w10: SHT30.4 410,2795 v1(410,2240) 435,2215 435,230 480,185 600,185 PCF8563.4
IO0: C12.2 IO0.1 MCU.27 | length 3288.7
  Top Layer w10: MCU.27 1828.44,2157.25 1860.69,2125 4475,2125 4609,1991 4609,1772.45 C12.2 4748.06,1772.45 4764.55,1788.94 4764.55,1808.32 IO0.1
IO3: MCU.15 U8.3 | length 3728.6
  Top Layer w10: MCU.15 1215,2149.59 1215,2200 1230,2215 v1(1295,2215) ; v1(1910,2170) 4550,2170 4760,2380 U8.3
  Bottom Layer w10: v1(1295,2215) 1343.44,2166.56 1906.56,2166.56 v1(1910,2170)
IO6: 480X800.12 MCU.6 | length 2919.4
  Top Layer w10: MCU.6 1152.18,2581.23 1238.77,2581.23 v1(1245,2575) ; v1(2305,1680) 2307.67,1680 2327.55,1699.88 480X800.12
  Bottom Layer w10: v1(1245,2575) 1245,1880 1415,1710 2275,1710 v1(2305,1680)
IO10: MCU.18 R13.1 TF.2 | length 2276.5
  Top Layer w10: MCU.18 1358.95,2258.95 v4(1421,2321) ; v1(1905,2365) 2510,2365 2544.3,2399.3 2544.3,2470.69 TF.2 2551.85,2596.85 2625.71,2670.71 3080.71,2670.71 3156,2746 3201.34,2746 R13.1
  Bottom Layer w10: v4(1421,2321) 1465,2365 v1(1905,2365)
IO11: MCU.19 R12.1 TF.3 | length 2195.8
  Top Layer w10: MCU.19 1408.95,2233.95 v1(1450,2275) ; v1(1900,2315) 2530,2315 2595.16,2380.16 TF.3 2595.16,2585.16 2647.14,2637.14 3127.14,2637.14 3180,2690 R12.1
  Bottom Layer w10: v1(1450,2275) 1490,2315 v1(1900,2315)
IO12: MCU.20 R11.1 TF.5 | length 2094.6
  Top Layer w10: MCU.20 1458.95,2203.95 v1(1480,2225) ; v1(1910,2270) 2590,2270 2680.89,2360.89 2680.89,2477.36 TF.5 2690.57,2487.05 2690.57,2560.57 2733.57,2603.57 3153.57,2603.57 3180,2630 R11.1
  Bottom Layer w10: v1(1480,2225) 1525,2270 v1(1910,2270)
IO13: MCU.21 R10.1 TF.7 | length 2002.1
  Top Layer w10: MCU.21 1508.95,2193.62 1530,2214.67 v1(1530,2215) ; v1(1895,2220) 2620,2220 2766.69,2366.69 2766.69,2476.56 TF.7 2768.39,2538.39 2800,2570 R10.1
  Bottom Layer w10: v1(1530,2215) 1532.5,2217.5 1892.5,2217.5 v1(1895,2220)
IO14: 480X800.15 MCU.22 | length 2117.8
  Top Layer w10: MCU.22 1558.95,2026.05 v1(1560,2025) ; v1(2080,1810) 2080,1730 2169.18,1640.82 480X800.15
  Bottom Layer w10: v1(1560,2025) 1560,1875 1625,1810 v1(2080,1810)
IO15: 480X800.11 MCU.8 | length 2856.2
  Top Layer w10: MCU.8 1140.52,2495 v1(1205,2495) ; v1(2215,1675) 2215,1680.41 2253.24,1718.65 3264.03,1718.65 480X800.11
  Bottom Layer w10: v1(1205,2495) 1205,1865 1395,1675 v1(2215,1675)
IO17: MCU.10 TFPlayer.2 | length 2176.2
  Top Layer w10: v2(1015,2385) 1017.86,2385 1027.86,2395 1138.41,2395 MCU.10
  Bottom Layer w10: v2(1015,2385) 1015,1290 1175,1130 1675,1130 1801.84,1003.16 1801.84,968.16 TFPlayer.2
IO18: MCU.11 TFPlayer.3 | length 2090.4
  Top Layer w10: v2(980,2295) 1030,2345 1138.41,2345 MCU.11
  Bottom Layer w10: v2(980,2295) 980,1275 1175,1080 1640,1080 1710,1010 TFPlayer.3
LEDA: 480X800.33 C6.2 D1.1 U6.5 | length 1460.8
  Top Layer w10: U6.5 U6.5@2755,412.88 ; v1(3195,1300) 3200.41,1300 3213.83,1286.58 480X800.33 ; U6.5@2755,412.88 U6.5@2755.47,412.88 ; U6.5@2755,412.88 U6.5@2755.47,412.88 ; U6.5@2755,412.88 U6.5@2755.47,412.88
  Top Layer w20: C6.2 2742.3,641.75 2806.73,641.75 2831.99,667.01 D1.1 D1.1@2848.01,667.01 ; U6.5@2755.47,412.88 2755.47,419.05 2781.43,445 v1(2835,445) ; v1(2835,580) D1.1@2835,664 ; v1(2840,1120) D1.1@2840,675.02 ; D1.1@2840,675.02 D1.1@2844.01,671.02 ; D1.1@2840,675.02 D1.1@2844.01,671.02 ; D1.1@2840,675.02 D1.1@2844.01,671.02 ; D1.1@2844.01,671.02 D1.1@2848.01,667.01 ; D1.1@2844.01,671.02 D1.1@2848.01,667.01 ; D1.1@2844.01,671.02 D1.1@2848.01,667.01
  Bottom Layer w20: v1(2835,445) v1(2835,580) ; v1(2840,1120) 2840,1170 2970,1300 v1(3195,1300)
LEDK: 480X800.34 480X800.35 480X800.36 R7.2 U6.3 | length 1925.6
  Top Layer w10: 480X800.36 3077.4,1227.6 v1(3057.71,1247.29) ; 480X800.35 v1(3057.71,1247.29) ; 480X800.34 3074.76,1266.97 3057.71,1249.92 v1(3057.71,1247.29)
  Top Layer w20: U6.3 2715.35,490 2675,490 2655,510 R7.2 2617.64,637.36 2580,675 2580,1155 2672.29,1247.29 v1(3057.71,1247.29)
NetC8_1: C8.1 R4.1 R6.2 U4.5 | length 286.1
  Top Layer w10: C8.1@3772.77,660.21 3772.9,660.35 C8.1
  Top Layer w20: R6.2 R4.1 C8.1@3772.9,660.35 ; U4.5 3772.64,660.08 C8.1@3772.77,660.21
NetD1_2: D1.2 L1.1 U6.1 | length 353.1
  Top Layer w20: U6.1@2796.93,498.35 L1.1@2933.35,498.35 ; L1.1@3005.36,539.37 D1.2
  Top Layer w30: L1.1@2933.35,498.35 L1.1 2980.99,515 L1.1@3005.36,539.37
NetL2_2: L2.2 U4.3 | length 133.7
  Top Layer w20: L2.2 3823.78,345 3848.78,370 3848.78,452.71 U4.3
NetLED1_1: PWR.1 R9.1 | length 214.6
  Top Layer w10: R9.1 4612.78,1141.3 4809.95,1141.3 PWR.1
NetLED2_2: R17.2 SK6812.2 | length 148.1
  Top Layer w10: R17.2@3813.29,1056.49 3959.92,1056.49 SK6812.2
NetP1_1: P1.2 TFPlayer.6 | length 266
  Top Layer w20: TFPlayer.6 TFPlayer.6@1407.65,962.35 ; TFPlayer.6@1407.65,962.35 1407.65,1093.66 TFPlayer.6@1407.65,962.35
NetP2_1: P2.2 TFPlayer.8 | length 125
  Top Layer w20: TFPlayer.8 P2.2
RESET: C5.1 EN.1 MCU.3 R3.2 | length 5273.2
  Top Layer w10: MCU.3 1223.94,2743.94 v1(1225,2745) ; v1(2065,2830) 2200,2965 4324.59,2965 4334.59,2955 v1(4340,2955) ; v1(4390,1540) 4392.43,1540 4412.43,1520 4610.14,1520 R3.2 4611.02,1518.91 C5.1 4676.85,1397.45 4749.12,1469.71 4749.12,1470.01 4755.93,1476.82 EN.1
  Bottom Layer w10: v1(1225,2745) 1228.83,2748.83 1238.83,2748.83 1320,2830 v1(2065,2830) ; v1(4340,2955) 4390,2905 v1(4390,1540)
RXD0: MCU.36 R17.1 | length 3812.4
  Top Layer w10: MCU.36 2128.94,2643.94 2295,2810 2990,2810 3060,2880 v1(3755,2880) ; v1(3800,1225) 3800,1130 R17.1@3806.67,1123.33
  Bottom Layer w10: v1(3755,2880) 3800,2835 v1@3800,1215
TXD0: MCU.37
VBUS: C7.2 C10.1 L1.2 SK6812.3 U4.1 U4.4 U6.6 U8.1 USB.A4B9 USB.A9B4 | length 4751.7
  Top Layer w10: 4559.76,589.76 USB.A4B9 ; USB.A9B4@4566.08,780 4568.75,782.67 USB.A9B4
  Top Layer w25: 4559.76,589.76 4520.24,589.76 4485,625 4485,700 v1(4485,780) USB.A9B4@4566.08,780
  Top Layer w30: U6.6 2805.16,389.02 ; 2803.58,389.02 2805.16,389.02 ; C7.2 2810,384.18 2805.16,389.02 ; 3676.02,389.02 3712.95,389.02 ; SK6812.3 4484.53,1055.47 v1(4485,1055) ; 4485,700 4483.25,698.25 C10.1 3970.35,683.6 3928.6,683.6 3848.66,603.66 3848.66,557.17 U4.4 3846.22,554.73 3846.22,522.57 3828.64,505 3790.13,505 3772.56,487.43 U4.1 3772.56,448.62 3712.95,389.02 ; U8.1@4761.88,2580 U8.1 ; 2805.16,389.02 L1.2 3712.95,389.02
  Bottom Layer w30: v1(4485,780) 4485,2295 U8.1
pads on no net: 480X800.1 480X800.2 480X800.3 480X800.4 480X800.8 480X800.13 480X800.14 480X800.25 480X800.26 480X800.27 480X800.28 480X800.29 480X800.30 480X800.31 480X800.32 EN.3 FPC1.4 FPC1.5 IO0.3 MCU.28 MCU.29 MCU.30 PCF8563.2 TF. TF.1 TF.8 TF.9 TFPlayer.4 TFPlayer.5 TFPlayer.9 TFPlayer.11 TFPlayer.12 TFPlayer.13 TFPlayer.14 TFPlayer.15 TFPlayer.16 U8.4 USB. USB.A8 USB.B8
copper on no net:
  other v3: 1369.77,2567.56 1424.89,2567.56 1480.01,2567.56

## Polygon pours and split planes (outlines as drawn)
GND on Bottom Layer "GND_L02_P001" (solid, pour order 1): 0,70 0,3070 cw(c70,3075) 65,3145 1130,3145 1130,2920 1840,2920 1840,3145 4835,3145 cw(c4835,3080) 4900,3080 4900,55 cw(c4850,50) 4855,0 55,0 cw(c62.5,62.5)
GND on Top Layer "GND_L01_P000" (solid, pour order 0): 0,70 0,3070 cw(c70,3075) 65,3145 1130,3145 1130,2920 1840,2920 1840,3145 4835,3145 cw(c4835,3080) 4900,3080 4900,55 cw(c4850,50) 4855,0 55,0 cw(c62.5,62.5)

## Keep-outs
Keep-Out Layer:
  lines w10: 0,70 ccw(c62.5,62.5) 55,0 ; 0,70 ccw(c62.5,62.5) 55,0 ; 0,70 0,3070 ; 0,70 0,3070 ; 0,3070 cw(c70,3075) 65,3145 ; 0,3070 cw(c70,3075) 65,3145 ; 55,0 4855,0 ; 55,0 4855,0 ; 65,3145 1130,3145 1130,2920 1840,2920 1840,3145 ; 1840,3145 ccw(c1840,3145) 1840,3145 ; 1840,3145 4835,3145 ; 4835,3145 ccw(c4835,3145) 4835,3145 ; 4835,3145 cw(c4835,3080) 4900,3080 ; 4835,3145 cw(c4835,3080) 4900,3080 ; 4855,0 ccw(c4850,50) 4900,55 ; 4855,0 ccw(c4850,50) 4900,55 ; 4900,55 4900,3080 ; 4900,55 4900,3080

## Silkscreen, mask and mechanical layers (free items; w line width, h text height)
Top Overlay:
  lines w10: 3520,1045 3675,1045 3675,2020 3520,2020 3520,1070 3520,1045 ; 4075,1325 4075,1740 4250,1740 4250,1325 4075,1325
  text "Designed by Bsgbsg7" at 294.47,1940 h120 r90
  text "施政 202100120212" at 171.77,365 h100 r90
  text "电源电路" at 4137.9,215.07 h80 r90
  text "屏幕背光" at 3147.6,212.66 h80 r90
Mechanical 1:
  lines w10: 4835,3145 ccw(c4835,3145) 4835,3145 ; 4835,3145 cw(c4835,3080) 4900,3080 4900,55 cw(c4850,50) 4855,0 55,0 cw(c62.5,62.5) 0,70 0,3070 cw(c70,3075) 65,3145 1130,3145 1130,2920 1840,2920 1840,3145 4835,3145 ; 3520,1045 3675,1045 3675,2020 3520,2020 3520,1045 ; 4075,1325 4250,1325 4250,1740 4075,1740 4075,1325

## Text inside footprints (layer, text, board x,y; h text height)
PCF8563: Top Overlay "BAT" at 667,1503 h80 r90
SHT30: Top Overlay "SDA" at 339,2904 h30; Top Overlay "SCL" at 444,2904 h30; Top Overlay "VCC" at 644,2904 h30; Top Overlay "GND" at 544,2904 h30
U8: Top Overlay "AO" at 4697,2193 h49.21 r90; Top Overlay "DO" at 4697,2313 h49.21 r90; Top Overlay "GND" at 4697,2428 h49.21 r90; Top Overlay "VCC" at 4697,2588 h49.21 r90